# Allegro board RK3588S_Template_LP4XD200P232SD8H2_31X31_2133MHz_H1R0_V11_20220218YWQ.brd (continued)
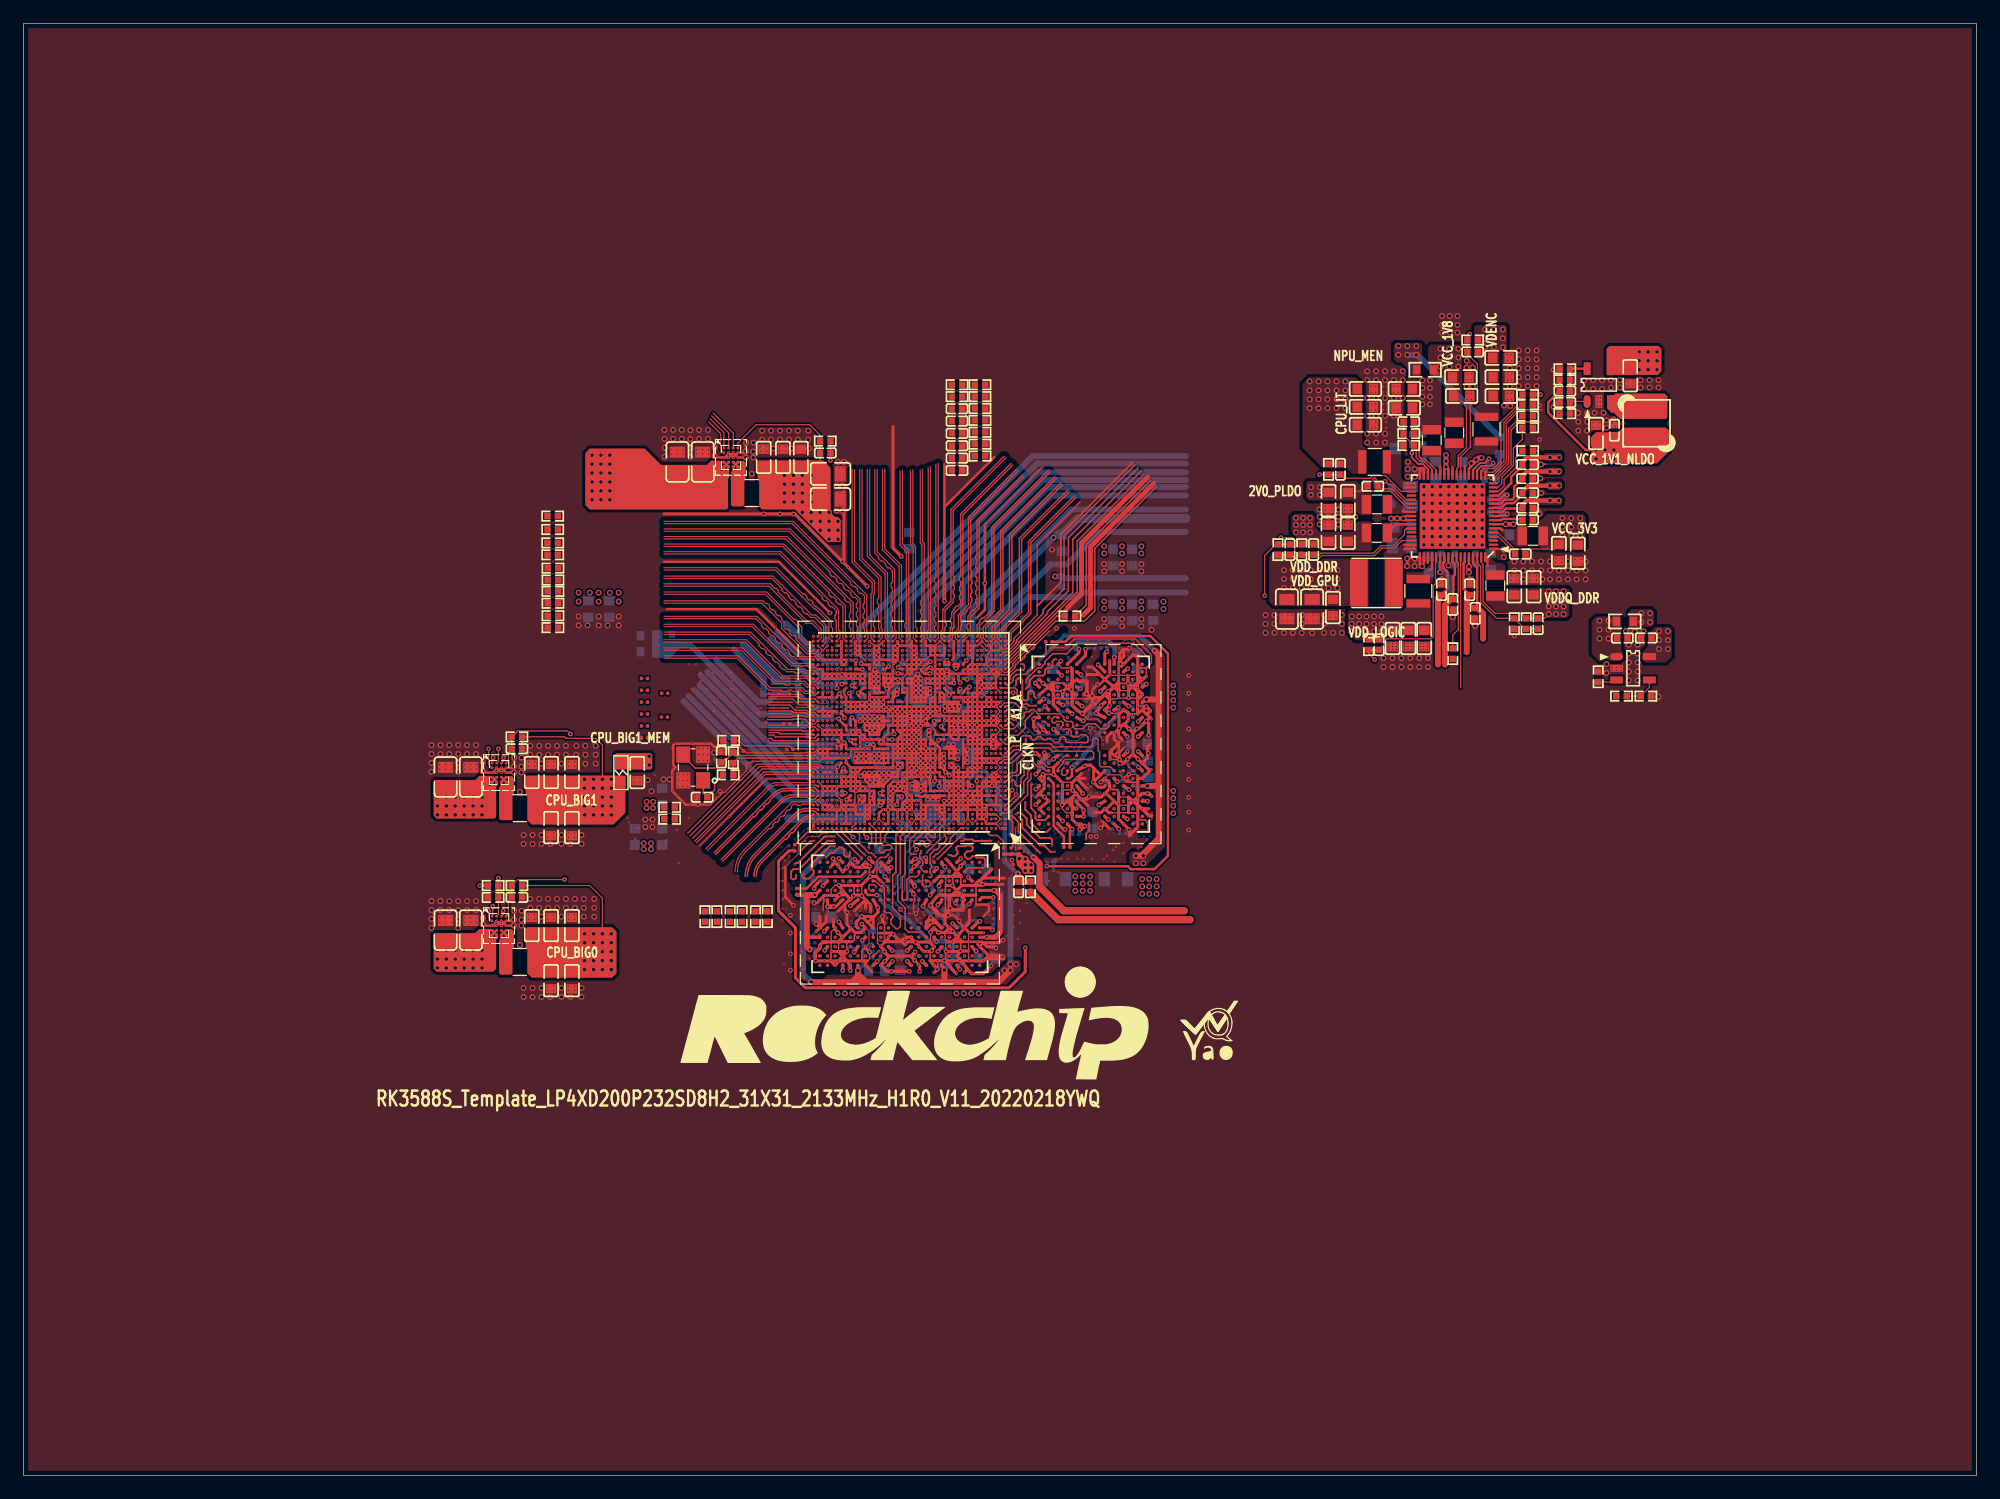
[diagram p0: board, top side]
## Copper pours and planes (outline as drawn; the poured copper is in the pictures) (continued)
VCC_SYSIN on TOP (solid shape): 39.75,58.93 40.39,58.93 40.39,56.26 40.26,56.13 35.31,56.13 35.05,56.39 35.05,59.31 35.18,59.44 38.61,59.44 38.96,59.79 39.75,59.79
VCC_SYSIN on TOP (solid shape): 39.75,45.85 40.39,45.85 40.39,43.31 40.13,43.05 35.31,43.05 35.05,43.31 35.05,46.23 35.18,46.36 38.61,46.36 38.96,46.71 39.75,46.71
VCC_SYSIN on TOP (solid shape): 54.48,86.36 58.42,86.36 58.77,86.71 59.56,86.71 59.56,85.85 60.2,85.85 60.2,82.68 60.07,82.55 48.39,82.55 48.01,82.93 48.01,87.38 48.39,87.76 53.09,87.76
VCC_SYSIN on TOP: 118.24,85.09 119.75,85.09 119.75,86.12 119.63,86.23 119.25,86.23 118.62,86.87 118.11,86.87 117.98,86.74 117.98,85.34
VCC_SYSIN on TOP: 125.22,78.99 125.22,79.25 126.11,79.25 126.24,79.38 126.62,79.38 126.75,79.25 126.75,78.36 126.62,78.23 125.98,78.23
VCC_SYSIN on TOP: 120.1,78.06 120.1,78.61 118.11,78.61 117.98,78.49 117.98,77.6 118.24,77.34 119.38,77.34
VCC_SYSIN on BOTTOM: 120.14,87.25 120.14,86.23 120.4,85.98 121.92,85.98 122.17,86.23 124.08,86.23 124.46,86.61 124.71,86.61 124.84,86.74 124.84,87.38 124.71,87.5 120.4,87.5
VCC_SYSIN on BOTTOM: 123.19,77.09 123.19,77.98 123.32,78.11 125.86,78.11 126.11,78.36 126.11,79.76 126.36,80.01 126.36,81.41 126.49,81.53 127.51,81.53 127.63,81.41 127.63,78.99 126.81,78.17 126.81,77.6 126.05,76.84 123.95,76.84 123.82,76.96 123.32,76.96
VCC_SYSIN on BOTTOM: 119.25,86.11 119.25,84.07 119.13,83.95 116.71,83.95 116.59,84.07 116.59,84.71 116.84,84.96 116.84,86.61 117.09,86.87 118.49,86.87
VCC_SYSIN on BOTTOM: 119.25,86.11 119.25,84.07 119.13,83.95 117.86,83.95 117.47,84.33 117.47,86.49 117.86,86.87 118.49,86.87
VCC_SYSIN on BOTTOM: 115.95,78.36 115.95,81.53 116.46,82.04 117.98,82.04 118.11,81.91 118.11,81.66 117.86,81.41 117.86,78.74 117.98,78.61 119,78.61 119.13,78.49 119.13,78.23 119.38,77.98 120.14,77.98 120.52,77.6 120.52,76.71 120.14,76.33 117.98,76.33
VCC_SYSIN on L4-POWER1: 116.59,84.71 116.59,52.83 102.87,39.12 43.18,39.12 41.66,40.64 41.66,74.04 50.42,82.8 50.42,87.63 50.16,87.88 37.59,87.88 26.8,77.09 26.8,24.89 35.18,16.51 130.68,16.51 149.22,35.05 149.22,96.14 148.72,96.65 133.35,96.65 129.16,92.46 123.82,92.46 116.59,85.22
VCCA_3V3_S0 on TOP: 137.16,73.79 137.16,72.52 139.06,72.52 139.32,72.77 139.32,73.79 139.06,74.04 137.41,74.04
VCCIO5 on L6-S2 (solid shape): 65.53,65.41 65.53,65.02 64.9,65.02 62.74,67.18 62.74,67.44 62.86,67.56 63.37,67.56
VCCIO5 on BOTTOM: 63.48,66.55 63.36,66.44 63.18,66.44 63.14,66.4 62.75,66.79 62.75,68.06 62.86,68.17 63.48,68.17
VCCIO_FLASH on BOTTOM (solid shape): 54.61,72.14 54.61,71.37 54.74,71.25 55.88,71.25 56.01,71.12 56.01,70.61 55.24,69.85 53.85,69.85 53.72,69.98 53.72,72.14 53.85,72.26 54.48,72.26
VDD2_DDR_S3 on TOP: 119.51,88.9 121.03,88.9 121.16,89.03 121.16,93.6 120.9,93.85 118.36,93.85 118.24,93.73 118.24,90.81 118.49,90.55 118.49,88.77 118.62,88.65 119.25,88.65
VDD2_DDR_S3 on BOTTOM: 71.63,51.05 71.63,52.42 72.15,52.94 74.2,52.94 74.29,52.85 74.29,52.6 73.79,52.09 73.79,51.33 73.8,51.32 73.78,51.3 73.78,51.06 73.64,50.93 73.41,50.93 73.15,50.67 73.15,50.55 72.52,49.91 72.52,49.3 73.28,48.53 73.28,48.15 73.02,47.9 73.02,47.64 73.28,47.39 74.29,47.39 74.57,47.12 75.44,47.12 77.09,45.47 77.09,43.81 76.71,43.43 75.69,43.43 75.31,43.81 74.04,43.81 73.91,43.94 73.91,44.96 73.66,45.21 73.28,45.21 72.64,45.85 72.39,45.85 72.27,45.96 72.27,46.98 71.75,47.5 71.63,47.5 71.37,47.75 71.12,47.75 70.99,47.88 70.99,48.15 70.36,48.79 70.36,49.78
VDD2_DDR_S3 on BOTTOM: 88.04,59.31 86.49,59.31 86.22,59.57 86.22,59.94 86.49,60.21 86.49,61.08 86.22,61.34 86.22,61.8 86.34,61.92 86.59,61.92 87.04,61.47 87.99,61.47 89.39,60.07 89.83,60.07 90.62,60.86 91.32,60.86 91.68,61.22 91.68,61.73 91.95,62 91.95,62.99 93.6,64.64 95.38,64.64 95.76,64.26 95.76,63.37 95.44,63.06 95.44,61.66 95.38,61.59 93.47,61.59 93.22,61.34 93.22,59.94 93.09,59.82 92.07,59.82 91.69,59.44 91.69,59.05 91.38,58.74 91.06,58.74 90.79,58.47 90.79,58.36 90.43,58.01 89.34,58.01
VDD2_DDR_S3 on BOTTOM: 92.06,64.33 92.44,64.71 92.44,65.81 92.33,65.91 91.73,65.91 91.67,65.85 90.79,65.85 90.57,66.06 90.3,66.06 89.9,65.66 89.9,64.96 89.7,64.77 89.15,64.77 89.12,64.74 87.98,64.74 87.63,65.09 86.09,65.09 85.83,64.84 85.83,64.2 86.47,63.57 86.72,63.82 86.72,64.33 86.98,64.58 87.36,64.58 87.48,64.46 87.48,63.95 87.86,63.57 89.13,63.57 89.9,64.33
VDD2_DDR_S3 on BOTTOM: 93.88,51.56 93.98,51.66 96.93,51.66 97.16,51.44 97.16,49.66 96.9,49.4 93.98,49.4 93.88,49.5
VDD2_DDR_S3 on BOTTOM: 76.71,47.14 77.09,46.76 78.23,46.76 78.49,47.01 78.49,47.26 78.23,47.52 78.23,48.41 78.61,48.79 78.61,48.91 78.23,49.3 77.34,49.3 77.09,49.55 77.09,49.93 76.83,49.93 76.45,50.31 76.45,50.95 76.71,51.2 77.11,51.2 77.34,51.44 77.34,52.07 77.6,52.32 77.85,52.32 79.76,54.23 80.39,54.23 80.52,54.36 80.52,54.99 79.63,54.99 79.63,54.74 78.25,53.36 76.58,53.36 75.95,52.72 76.2,52.47 76.71,52.47 76.83,52.34 76.83,51.84 76.71,51.71 76.33,51.71 75.95,51.33 75.95,50.06 76.71,49.3
VDD2_DDR_S3 on L3-S1: 106.81,51.44 102.23,46.86 95.88,46.86 95.25,47.5 95.25,51.12 95.38,51.24 98.87,51.24 101.09,53.47 101.09,89.28 106.81,95 119.95,95 120.71,94.23 120.71,90.61 115.95,85.85 115.44,85.85 112.9,83.31 107.82,83.31 107.31,82.8 107.31,80.64 106.81,80.14
VDD2_DDR_S3 on L5-POWER2: 75.18,50.8 76.07,50.8 77.72,49.15 78.1,49.15 78.36,48.89 78.36,48.51 77.98,48.13 77.98,47.24 77.34,46.61 77.34,44.83 77.72,44.45 80.01,44.45 81.79,46.23 85.34,46.23 85.85,45.72 89.53,45.72 92.27,48.45 92.27,52.45 92.2,52.45 89.41,55.24 89.41,55.5 90.42,56.52 90.42,57.53 90.3,57.66 90.3,58.67 90.42,58.8 90.42,63.88 90.04,64.26 90.04,65.53 90.55,66.04 92.2,66.04 92.71,65.53 93.22,65.53 93.98,64.77 98.93,64.77 99.06,64.64 99.06,48.89 90.8,40.64 74.8,40.64 72.39,43.05 72.39,48.89 72.58,49.09 74.1,49.09 74.68,49.66 74.68,50.29
VDD2_DDR_S3 on L6-S2: 72.14,45.34 72.14,46.99 70.74,48.39 70.61,48.39 70.48,48.51 70.48,48.77 70.61,48.89 70.99,48.89 71.37,48.51 72.64,48.51 72.77,48.64 73.15,48.64 73.28,48.51 74.17,48.51 74.8,49.15 74.8,50.42 74.93,50.55 76.2,50.55 76.33,50.42 76.33,50.16 76.2,50.04 75.95,50.04 75.56,49.66 75.56,48.51 76.2,47.88 76.33,47.88 76.83,48.39 77.6,48.39 77.85,48.64 77.85,48.89 77.98,49.02 78.23,49.02 78.36,48.89 78.36,48.26 77.98,47.88 77.98,46.74 77.47,46.23 77.47,45.09 77.34,44.96 77.34,44.83 77.85,44.32 78.23,44.32 78.49,44.58 80.14,44.58 82.04,46.48 84.07,46.48 88.65,51.05 88.65,53.85 89.41,54.61 89.41,55.37 89.66,55.63 89.92,55.63 90.3,56.01 94.49,56.01 94.87,56.39 94.87,58.42 94.49,58.8 93.47,58.8 93.34,58.67 91.06,58.67 90.8,58.42 90.8,58.29 90.55,58.04 90.3,58.04 90.17,58.17 90.17,58.55 90.8,59.18 90.8,59.56 90.42,59.94 90.42,60.71 90.55,60.83 91.19,60.83 91.44,61.09 91.44,61.34 91.69,61.59 92.58,61.59 93.09,62.1 93.09,63.5 92.07,64.52 91.57,64.52 91.44,64.64 91.44,65.41 92.46,66.42 92.96,66.42 93.98,65.41 93.98,65.02 94.36,64.64 95.38,64.64 95.63,64.9 96.01,64.9 96.27,65.15 96.27,68.33 96.01,68.58 95.5,68.58 94.49,69.6 94.11,69.6 93.85,69.85 92.96,69.85 92.71,70.1 92.71,71.37 92.46,71.63 91.31,71.63 90.42,70.74 90.42,70.48 90.3,70.36 90.17,70.36 89.92,70.61 89.92,70.99 91.06,72.14 92.58,72.14 94.36,70.36 98.42,70.36 99.31,69.47 99.31,47.75 92.2,40.64 68.2,40.64 66.04,42.8 66.04,45.09 66.17,45.21 67.31,45.21 67.44,45.09 67.44,44.7 67.31,44.58 67.31,43.94 68.96,42.29 72.26,42.29 72.77,42.8 72.77,44.7
VDD_0V75_S3 on TOP: 130.05,87.38 131.32,87.38 131.44,87.25 131.44,86.87 131.32,86.74 129.92,86.74 129.79,86.87 129.79,87.12
VDD_CPU_BIG0_S0 on TOP (solid shape): 50.67,46.48 50.67,42.93 50.29,42.55 43.43,42.55 43.05,42.93 43.05,44.96 42.93,45.09 42.93,46.74 43.05,46.86 50.29,46.86
VDD_CPU_BIG0_S0 on BOTTOM (solid shape): 75.06,60.45 75.06,59.79 74.75,59.49 74.18,59.49 74.18,59.42 74.05,59.42 73.66,59.03 73.56,59.03 73.5,59.05 73.47,59.05 73.41,59.05 73.15,59.05 72.9,58.8 72.52,58.8 72.14,58.42 71.88,58.42 71.88,58.8 72.14,59.05 72.14,59.06 72.17,59.12 72.18,59.18 72.18,59.29 72.14,59.44 72.01,59.57 71.99,59.57 71.88,59.59 71.77,59.57 71.76,59.56 71.4,59.56 71.39,59.57 71.27,59.59 71.16,59.57 71.15,59.56 70.76,59.56 70.68,59.59 70.61,59.59 70.59,59.59 70.48,59.69 70.48,59.94 70.53,59.95 70.59,59.97 70.64,60 70.7,60.06 71.62,60.06 71.73,60.17 71.91,60.17 71.91,60.19 72.38,60.19 72.4,60.17 72.63,60.17 72.65,60.19 72.71,60.19 72.96,60.45 74.04,60.45 74.29,60.71 74.8,60.71
VDD_CPU_BIG0_S0 on BOTTOM: 55.07,54.53 51.89,54.53 51.64,54.28 51.64,53.52 52.02,53.14 54.94,53.14 55.32,53.52 55.32,54.28
VDD_CPU_BIG0_S0 on L4-POWER1: 75.23,59.99 75.23,60.5 74.88,60.86 74.52,60.86 74.14,60.48 70.75,60.48 70.26,59.99 64.31,59.99 61.07,56.76 56.78,56.76 54.31,54.28 49.45,54.28 46.61,51.44 46.61,43.05 46.93,42.74 47.43,42.74 47.5,42.67 63.63,42.67 63.88,42.93 63.88,51.44 65.15,52.7 70.36,52.7 70.99,53.34 72.01,53.34 72.14,53.47 72.14,53.72 72.64,54.23 73.79,54.23 74.93,55.37 74.93,55.75 74.55,56.13 74.55,59.31
VDD_CPU_BIG0_S0 on L5-POWER2: 46.61,43.18 46.61,52.12 54.61,60.12 60.15,60.12 61.37,61.34 70.48,61.34 70.61,61.21 70.61,60.88 70.56,60.83 70.56,60.76 70.95,60.36 73.88,60.36 74.42,60.91 74.88,60.91 75.23,60.55 75.23,59.49 74.8,59.05 74.8,56.13 76.07,54.86 76.07,52.07 73.79,49.78 72.77,49.78 72.14,49.15 72.14,42.55 71.69,42.1 47.69,42.1
VDD_CPU_BIG1_MEM_S0 on TOP (solid shape): 53.72,61.59 53.72,60.45 53.59,60.33 50.55,60.33 50.55,61.59 50.67,61.72 53.59,61.72
VDD_CPU_BIG1_MEM_S0 on L5-POWER2: 72.91,63.29 72.97,63.22 72.97,62.1 72.85,61.97 71.11,61.97 70.76,61.62 70.71,61.62 70.69,61.59 61.24,61.59 60.02,60.38 53.29,60.38 53.21,60.45 53.21,62.99 53.51,63.29
VDD_CPU_BIG1_S0 on TOP (solid shape): 51.43,59.69 51.43,56.64 50.42,55.63 43.43,55.63 43.05,56.01 43.05,58.04 42.93,58.17 42.93,59.69 43.05,59.82 51.31,59.82
VDD_CPU_BIG1_S0 on BOTTOM (solid shape): 71.37,62.1 71.37,61.98 71.49,61.98 71.5,61.97 74.8,61.97 74.93,61.85 74.93,61.21 74.8,61.09 74.29,61.09 74.17,61.21 73.3,61.21 73.15,61.07 72.74,61.07 72.74,61.07 72.58,61.07 72.58,60.91 72.44,60.77 72.34,60.77 72.33,60.78 72.22,60.8 72.1,60.78 72.09,60.77 71.64,60.77 71.58,60.77 71.07,60.77 71.01,60.83 70.87,60.83 70.74,60.96 70.74,61.09 70.48,61.34 69.72,61.34 69.52,61.13 69.4,61.13 69.13,60.86 67.03,60.86 66.93,60.96 66.93,61.59 67.18,61.85 69.36,61.85 69.42,61.83 69.47,61.83 69.49,61.83 69.6,61.72 70.75,61.72 70.75,61.86 70.99,62.1 71.37,62.1
VDD_CPU_BIG1_S0 on BOTTOM: 53.21,56.69 54.94,56.69 55.19,56.95 55.19,57.84 55.07,57.96 53.21,57.96 52.96,57.71 52.96,56.95
VDD_CPU_BIG1_S0 on L4-POWER1: 73.38,62.73 68.07,62.73 67.81,62.99 66.55,62.99 66.42,62.87 66.42,62.86 66.29,62.73 59.82,62.73 59.05,63.5 47.24,63.5 46.99,63.25 46.99,56.77 48.84,54.91 53.97,54.91 56.83,57.77 56.91,57.77 56.97,57.84 58.12,57.84 58.37,57.58 60.91,57.58 63.99,60.66 70.65,60.66 70.87,60.88 73.23,60.88 73.38,61.04
VDD_CPU_BIG1_S0 on L6-S2: 49.1,63.93 61.54,63.93 61.8,63.68 66.42,63.68 66.55,63.55 66.55,62.74 66.93,62.36 68.58,62.36 69.09,61.85 69.98,61.85 70.23,62.1 71.75,62.1 71.88,62.23 71.88,62.48 72.01,62.61 72.64,62.61 72.77,62.48 72.77,62.23 72.9,62.1 73.15,62.1 73.28,61.98 73.28,61.21 73.15,61.09 70.74,61.09 70.36,60.71 70.1,60.71 69.21,59.82 69.21,58.55 67.82,57.15 66.55,57.15 61.21,51.82 47.62,51.82 47.12,52.32 47.12,61.95
VDD_CPU_LIT_S0 on BOTTOM (solid shape): 70.48,65.41 72.02,65.41 72.12,65.34 72.23,65.31 72.24,65.3 72.24,65.14 72.39,65.14 72.39,65.07 72.71,65.07 72.87,64.97 72.87,64.98 73.02,65.07 73.17,65.07 73.25,64.95 73.25,64.95 73.3,64.86 73.51,64.95 74.12,64.95 74.12,64.06 73.58,64.06 73.27,63.74 73.27,63.37 72.77,63.37 72.72,63.42 72.72,63.47 72.17,63.47 72.14,63.5 72.14,64.26 72.09,64.31 71.07,64.31 71.07,64.56 71.13,64.69 71.13,64.85 71.13,64.88 71.11,64.91 70.98,65.07 70.78,65.12 70.64,65.1 70.52,65.02 70.36,65.02 69.98,65.41 69.98,65.53 70.36,65.53
VDD_CPU_LIT_S0 on TOP: 113.54,85.6 113.03,86.11 111,86.11 109.28,87.82 109.28,93.28 109.85,93.85 113.79,93.85 114.43,93.22 114.43,88.01 114.68,87.76 114.68,85.6
VDD_CPU_LIT_S0 on BOTTOM: 50.85,74.09 51.18,74.42 51.18,75.56 50.88,75.87 47.42,75.87 47.12,75.56 47.12,74.42 47.45,74.09
VDD_CPU_LIT_S0 on L4-POWER1: 55.88,108.78 115.76,108.78 120.78,103.76 120.78,89.66 116.59,85.47 111.38,85.47 108.84,88.01 108.84,93.22 106.43,95.63 74.55,95.63 70.1,91.19 70.1,89.03 68.07,87 64.26,87 59.44,82.17 59.44,72.64 65.23,66.85 65.28,66.85 65.46,66.67 68.2,66.67 69.04,65.84 70.18,65.84 70.23,65.79 70.66,65.79 70.87,65.58 71.58,65.58 72.03,65.13 73.28,65.13 73.28,65.02 73.41,64.9 73.41,64.39 73.02,64.01 73.02,63.12 71.25,63.12 70.99,63.37 69.72,63.37 69.57,63.22 68.17,63.22 68.14,63.25 59.82,63.25 59.18,63.88 46.48,63.88 46.23,64.14 46.23,77.34 51.31,82.42 51.31,104.2
VDD_CPU_LIT_S0 on L5-POWER2: 72.74,63.34 53.16,63.34 52.82,63.68 46.81,63.68 46.48,64.01 46.48,86.61 67.31,107.44 112.27,107.44 114.17,105.54 114.17,91.31 113.79,90.93 73.28,90.93 68.58,86.23 64.52,86.23 62.48,84.2 62.48,80.64 62.1,80.26 62.1,75.06 62.67,74.49 62.8,74.49 69.21,68.07 69.21,66.29 69.34,66.17 70.23,66.17 70.23,66.08 70.48,65.83 72.83,65.83 73.41,65.25 73.41,64.39 73.41,64.39 73.02,64.01 73.02,63.63
VDD_DDR_S0 on BOTTOM (solid shape): 79.38,62.99 80.11,62.99 80.21,62.89 80.21,61.62 80.06,61.47 80.06,61.11 80.01,61.06 79.66,61.06 79.58,61.14 79.45,61.14 79.32,61.26 79.32,61.65 78.94,62.03 78.94,62.53 78.87,62.61 78.87,62.99 78.99,63.12 79.25,63.12
VDD_DDR_S0 on BOTTOM (solid shape): 77.42,59.49 77.42,58.98 76.53,58.09 75.51,58.09 75.39,58.22 75.39,58.28 75.41,58.3 75.52,58.48 75.52,58.69 75.51,58.7 75.51,59.23 75.57,59.29 76.41,59.29 76.41,59.36 76.53,59.36 76.78,59.61 77.29,59.61
VDD_DDR_S0 on TOP: 108.84,80.14 108.33,80.64 108.33,81.91 108.58,82.17 110.11,82.17 110.36,81.91 110.36,81.03 110.74,80.64 113.79,80.64 113.79,81.28 114.05,81.53 115.06,81.53 115.19,81.41 115.19,79.12 115.06,78.99 110.87,78.99 110.62,79.25 108.97,79.25 108.84,79.38
VDD_DDR_S0 on L3-S1: 110.74,42.55 87.76,42.55 87.63,42.67 87.63,47.5 87.76,47.62 94.36,47.62 95.88,46.1 102.23,46.1 107.82,51.69 107.82,82.8 108.08,83.06 118.11,83.06 119.25,81.91 119.25,79.12 120.65,77.72 120.65,52.45
VDD_DDR_S0 on L4-POWER1: 77.22,59.31 75.82,59.31 75.69,59.18 75.69,58.04 75.95,57.78 76.58,57.78 76.96,58.17 78.23,58.17 78.36,58.29 79.12,58.29 80.01,59.18 80.01,62.23 79.63,62.61 78.74,62.61 78.61,62.48 78.61,62.23 78.74,62.1 78.74,60.83
VDD_DDR_S0 on L5-POWER2: 75.56,59.44 77.09,59.44 77.47,59.82 77.98,59.82 80.64,57.15 82.8,57.15 83.44,56.52 84.2,56.52 84.45,56.26 88.14,56.26 92.07,52.32 92.07,48.64 89.41,45.97 86.11,45.97 83.88,48.2 83.5,48.2 82.04,49.66 81.03,49.66 80.9,49.78 79.88,49.78 79.76,49.66 77.72,49.66 76.26,51.12 76.26,54.99 74.93,56.32 74.93,58.8
VDD_GPU_S0 on BOTTOM (solid shape): 76.2,68.71 76.58,68.71 76.73,68.56 76.73,68.33 76.8,68.23 76.92,68.18 76.96,68.17 76.96,68.07 77.09,67.94 77.09,67.69 77.33,67.45 77.36,67.47 77.39,67.49 77.55,67.49 77.63,67.41 77.62,67.3 77.66,67.18 77.64,67.14 77.6,67.02 77.62,66.89 77.63,66.83 77.66,66.78 77.67,66.75 77.67,66.73 77.69,66.7 77.7,66.63 77.76,66.63 77.78,66.61 77.79,66.61 77.8,66.6 77.93,66.6 78.05,66.47 78.05,66.22 77.93,66.09 77.55,66.09 77.42,65.96 77.27,65.96 77.16,65.86 77.11,65.83 77.06,65.79 76.71,65.79 76.66,65.84 75.9,65.84 75.9,65.91 75.71,65.91 75.71,65.94 75.66,65.94 75.56,66.04 75.26,66.04 75.26,66.5 75.56,66.8 75.56,68.96 75.69,69.09 75.82,69.09
VDD_GPU_S0 on TOP: 110.74,78.11 108.58,78.11 108.33,78.36 108.33,78.74 108.08,78.99 106.93,78.99 106.43,78.49 106.43,74.68 106.81,74.3 114.81,74.3 114.94,74.42 114.94,78.23 114.81,78.36 111,78.36
VDD_GPU_S0 on BOTTOM: 75.31,79.76 75.06,79.5 75.06,78.87 75.18,78.74 76.2,78.74 76.33,78.87 76.33,79.63 76.2,79.76
VDD_GPU_S0 on BOTTOM: 92.2,78.49 95.63,78.49 95.76,78.61 95.76,79.5 95.63,79.63 92.2,79.63 92.07,79.5 92.07,78.61
VDD_GPU_S0 on L4-POWER1: 75.44,66.6 75.36,66.67 75.31,66.67 75.31,66.8 74.94,67.17 74.41,67.17 73.89,67.69 73.89,71.75 70.74,74.9 70.74,90.81 74.99,95.06 106.11,95.06 108.33,92.84 108.33,87.25 110.49,85.09 111.38,85.09 112.78,83.69 112.78,75.82 112.14,75.18 106.68,75.18 106.3,75.56 105.79,75.56 105.54,75.31 103.63,75.31 98.42,80.52 82.77,80.52 79.38,77.13 79.38,74.3 79.25,74.17 79.21,74.17 78.53,73.49 78.53,72.15 78.01,71.63 78.01,70.5 77.98,70.48 77.98,67.82 77.85,67.69 77.85,66.8 77.65,66.6
VDD_GPU_S0 on L5-POWER2: 76.35,66.52 76.28,66.6 75.44,66.6 74.96,67.08 74.93,67.08 74.7,67.31 73.89,67.31 73.79,67.41 73.56,67.41 73.38,67.59 73.38,72.14 73.39,72.15 73.39,72.63 73.41,72.64 73.41,72.77 70.74,75.44 70.74,88.01 73.28,90.55 113.54,90.55 114.43,89.66 114.43,77.47 111.76,74.8 107.11,74.8 105.16,76.76 89.41,76.76 88.7,77.47 81.79,77.47 80.77,76.45 80.77,75.82 79.63,74.68 79.63,73.28 78.99,72.64 78.99,71.12 78.23,70.36 78.23,66.65 78.1,66.52
VDD_LOGIC_S0 on BOTTOM (solid shape): 79.12,65.94 80.23,65.94 80.47,65.71 80.67,65.71 80.74,65.7 80.85,65.71 80.9,65.66 80.9,65.15 80.85,65.11 80.19,65.11 80.19,65.07 79.71,65.07 79.58,65.2 79.58,65.58 78.31,65.58 78.31,65.86 78.41,65.96 79.12,65.96
VDD_LOGIC_S0 on L7-GND2 (solid shape): 70.87,65.79 70.87,65.22 70.84,65.15 70.77,65.12 70.65,65.09 70.55,65.02 70.35,65.02 70.15,65.08 69.96,65.02 69.21,65.02 68.2,64.01 68.2,62.74 69.21,61.72 69.98,61.72 70.1,61.59 70.1,61.21 69.98,61.09 69.98,60.96 69.6,60.96 69.54,60.91 69.52,60.9 69.39,60.86 69.29,60.76 69.22,60.57 69.27,60.37 69.44,60.22 69.67,60.22 69.7,60.22 69.82,60.11 69.99,60.11 70.08,60.09 70.17,60.1 70.19,60.11 70.97,59.33 70.97,59.26 70.99,59.2 70.99,58.93 70.61,58.93 70.1,59.44 68.71,59.44 68.07,60.07 68.07,61.47 67.69,61.85 67.69,64.52 68.83,65.66 70.16,65.66 70.22,65.65 70.48,65.91 70.74,65.91
VDD_LOGIC_S0 on TOP: 113.16,72.01 113.79,71.37 115.82,71.37 116.2,71.75 120.01,71.75 120.27,72.01 120.27,74.8 120.14,74.93 118.24,74.93 118.11,74.8 118.11,74.17 117.86,73.91 113.28,73.91 113.16,73.79
VDD_LOGIC_S0 on BOTTOM: 92.27,73.66 91.38,72.77 88.52,72.77 84.65,68.9 84.65,68.52 84.45,68.33 84.45,67.69 81.91,65.15 80.14,65.15 80.14,65.41 80.39,65.66 80.9,65.66 81.66,66.42 82.04,66.42 82.68,67.06 82.68,67.69 84.07,69.09 84.07,69.47 84.14,69.53 84.14,71.18 87.63,74.68 90.3,74.68 90.55,74.93 95.63,74.93 95.76,74.8 95.76,73.91 95.5,73.66
VDD_LOGIC_S0 on L4-POWER1: 74.93,65.41 74.93,65.47 72.45,65.47 71.96,65.96 71.15,65.96 71.02,66.09 71.02,67.21 71.09,67.28 74.5,67.28 74.57,67.21 74.57,66.9 75.11,66.36 78.41,66.36 78.41,67.4 78.1,67.71 77.96,67.71 77.81,67.86 77.81,68.96 78.49,68.96 78.49,70.61 79.5,71.63 79.5,72.9 80.14,73.53 80.14,76.71 82.8,79.38 88.26,79.38 88.9,80.01 97.66,80.01 103.12,74.55 112.14,74.55 112.65,74.04 115.95,74.04 116.33,73.66 116.33,71.25 112.14,67.06 101.22,67.06 99.69,68.58 96.14,68.58 95.76,68.2 95.76,64.26 95.5,64.01 93.85,64.01 93.34,64.52 90.04,64.52 89.15,63.63 87.5,63.63 87.25,63.88 83.44,63.88 83.06,63.5 81.66,63.5 81.53,63.37 78.93,63.37 78.68,63.63 78.68,64.83 78.49,65.02 78.49,65.15 78.23,65.41
VDD_LOGIC_S0 on L5-POWER2: 80.01,65.38 79.12,65.38 78.89,65.15 78.59,65.15 78.36,65.38 76.58,65.38 76.35,65.15 75.29,65.15 75.06,65.38 74.12,65.38 73.3,66.19 70.97,66.19 70.97,67.11 71.12,67.26 71.88,67.26 72.05,67.09 74.29,67.09 74.55,66.84 75.1,66.84 75.77,66.17 76.5,66.17 76.83,66.5 79.71,66.5 80.14,66.07 80.14,65.51
VDD_LOGIC_S0 on L6-S2: 88.42,72.64 89.36,73.58 96.65,73.58 100.13,70.1 115.57,70.1 116.33,70.87 116.33,78.11 115.06,79.38 107.44,79.38 102.74,84.07 82.37,84.07 80.09,81.79 80.09,73.33 80.14,73.28 80.14,71.5 80.01,71.37 80.01,70.23 80.26,69.98 80.64,69.98 80.9,69.72 80.9,68.96 80.26,68.33 80.26,67.31 80.01,67.06 78.99,67.06 78.74,66.8 78.74,66.29 78.49,66.04 78.49,65.28 78.61,65.15 78.74,65.15 79.25,65.66 79.76,65.66 80.14,65.28 80.14,64.64 80.26,64.52 81.53,64.52 81.66,64.64 81.66,64.9 82.11,65.34 82.11,65.72 82.93,66.55 82.93,67.56 82.8,67.69 82.8,68.07 83.06,68.33 83.06,69.34 84.2,70.48 84.2,71.25 84.33,71.37 84.33,72.01 84.96,72.64
VDD_NPU_S0 on TOP (solid shape): 68.96,86.11 68.96,82.3 69.34,81.91 69.57,81.91 69.82,81.66 69.82,79.88 69.7,79.76 68.71,79.76 66.03,82.45 66.01,82.45 65.91,82.55 63.12,82.55 62.86,82.8 62.86,84.96 62.74,85.09 62.74,86.61 62.86,86.74 68.33,86.74
VDD_NPU_S0 on BOTTOM (solid shape): 72.77,70.39 72.68,70.16 72.76,69.92 72.77,69.91 72.77,69.85 73.1,69.52 73.48,69.52 73.53,69.47 73.53,69.09 73.57,69.05 73.61,68.93 73.64,68.9 73.66,68.87 73.69,68.84 73.74,68.81 73.74,68.64 73.7,68.61 73.66,68.58 73.63,68.55 73.6,68.52 73.52,68.52 73.43,68.5 73.23,68.5 73.23,66.8 73.15,66.73 72.34,66.73 72.34,68.71 72.39,68.76 72.39,70.61 72.52,70.74 72.77,70.74
VDD_NPU_S0 on BOTTOM: 66.17,82.04 66.17,82.55 65.91,82.8 64.9,82.8 64.64,83.06 64.64,85.6 65.15,86.11 68.45,86.11 69.09,85.47 69.09,82.3 69.98,81.41 69.98,80.01 69.72,79.76 68.45,79.76
VDD_NPU_S0 on L3-S1: 67.69,79.63 69.72,79.63 69.85,79.76 69.85,81.91 67.69,84.07 67.69,85.6 67.44,85.85 64.9,85.85 64.64,85.6 64.64,82.68
VDD_NPU_S0 on L4-POWER1: 73.66,71.63 73.66,67.51 73.53,67.39 65.71,67.39 60.2,72.9 60.2,81.79 64.64,86.23 70.36,86.23 70.48,86.11 70.48,74.8
VDD_NPU_S0 on L5-POWER2: 71.51,67.45 71.32,67.64 71.32,67.67 70.31,68.68 69.62,68.68 62.86,75.44 62.86,83.95 64.77,85.85 70.36,85.85 70.42,85.79 70.42,75.31 73.1,72.63 73.1,69.01 73.33,68.78 73.33,67.51 73.34,67.5 73.15,67.31 71.64,67.31 71.51,67.44
VDD_NPU_S0 on L6-S2: 74.5,66.6 74.42,66.67 74.42,67.18 75.06,67.82 75.06,68.07 75.44,68.45 75.44,71.35 75.45,71.36 75.45,71.74 74.93,72.26 74.93,72.39 74.42,72.9 72.77,72.9 64.26,81.41 64.26,85.47 64.77,85.98 69.72,85.98 73.91,81.79 73.91,78.87 74.68,78.11 79.5,78.11 79.63,77.98 79.63,72.77 79.5,72.64 79.5,70.74 79.38,70.61 77.6,70.61 77.09,70.1 76.71,70.1 76.2,69.6 76.2,68.58 74.93,67.31 74.93,66.85 74.68,66.6
VDD_NPU_S0 on L7-GND2: 69.85,79.88 69.72,79.76 68.71,79.76 65.79,82.68 64.9,82.68 64.64,82.93 64.64,85.6 64.9,85.85 67.44,85.85 67.69,85.6 67.69,83.95 69.85,81.79
VDD_VDENC_S0 on BOTTOM (solid shape): 78.36,64.52 77.85,64.01 77.85,63.75 77.6,63.5 77.6,63.42 77.53,63.36 77.53,63.04 77.28,62.79 76.91,62.79 76.91,62.95 76.91,63.49 76.91,63.55 77.17,63.8 77.22,63.8 77.29,63.88 77.34,63.88 77.37,63.91 77.55,63.91 77.55,64.04 77.57,64.08 77.6,64.14 77.6,64.52 77.69,64.61 77.75,64.66 77.82,64.69 77.89,64.66 77.99,64.75 78.05,64.77 78.36,64.77
VDD_VDENC_S0 on TOP: 125.98,90.17 126.11,90.3 126.11,96.01 126.24,96.14 126.62,96.14 126.75,96.27 126.75,98.17 126.62,98.3 124.08,98.3 123.95,98.17 123.95,95.63 124.4,95.19 124.4,91.63 123.95,91.19 123.95,90.3 124.08,90.17
VDD_VDENC_S0 on BOTTOM: 97.54,73.79 97.66,73.91 97.66,74.93 97.54,75.06 96.14,75.06 96.01,74.93 96.01,73.91 96.14,73.79
VDD_VDENC_S0 on BOTTOM: 78.06,61.01 78.06,61.64 78.25,61.83 78.76,61.83 79.07,61.52 79.07,60.5 79.5,60.07 79.5,59.82 79.38,59.69 78.1,59.69 78.1,60.96
VDD_VDENC_S0 on L5-POWER2: 80.59,57.45 78.87,59.18 78.87,59.31 78.06,60.12 78.06,61.98 77.09,62.95 77.09,64.18 78.06,65.15 78.06,65.21 78.18,65.33 80.09,65.33 80.21,65.46 80.21,66.47 80.09,66.6 79.58,66.6 79.07,67.11 79.07,67.74 79.45,68.12 79.45,70.03 79.51,70.09 79.51,70.24 80.77,71.5 80.77,74.04 82.68,75.95 104.39,75.95 106.17,74.17 112.14,74.17 115.06,77.09 115.06,85.98 117.98,88.9 120.65,88.9 124.46,92.71 124.46,98.04 124.7,98.29 131.71,98.29 132.33,97.66 132.33,83.31 127.13,78.11 127.13,69.72 122.43,65.02 93.85,65.02 92.84,66.04 90.8,66.04 90.55,66.29 90.42,66.29 89.53,65.41 89.53,63.88 90.17,63.25 90.17,58.93 90.04,58.8 90.04,56.77 89.66,56.39 86.36,56.39 86.23,56.52 84.58,56.52 84.33,56.77 83.57,56.77 82.88,57.45
VDDA_0V75_S0 on BOTTOM (solid shape): 81.48,68.76 81.53,68.71 80.64,67.82 80.52,67.82 80.34,68 80.34,68.25 80.59,68.25 80.59,68.35 80.67,68.42 80.67,68.63 80.59,68.71 80.59,68.76 80.72,68.88 81.48,68.88
VDDA_0V75_S0 on BOTTOM (solid shape): 79.36,68.83 79.45,68.7 79.59,68.62 79.63,68.61 79.63,68.43 79.58,68.43 79.58,67.82 79.65,67.79 79.68,67.72 79.7,67.63 79.55,67.49 79.35,67.69 78.74,67.69 78.74,68.03 78.77,68.1 78.85,68.13 79.19,68.29 79.19,68.66
VDDA_0V75_S0 on TOP: 130.05,84.84 130.05,84.45 130.3,84.2 131.19,84.2 131.44,84.45 131.44,84.84 131.32,84.96 130.17,84.96
VDDA_0V85_S0 on TOP: 131.32,83.57 131.44,83.44 131.44,83.06 131.32,82.93 129.54,82.93 129.29,83.19 129.29,83.31 129.54,83.57
VDDQ_DDR on BOTTOM: 88.14,55.63 86.99,56.77 86.36,56.77 86.23,56.9 86.23,57.4 86.36,57.53 87.38,57.53 87.63,57.78 87.63,58.4 87.5,58.53 87.5,58.8 87.76,59.05 87.99,59.05 88.12,58.93 88.12,57.53 88.52,57.13 89.03,57.13 89.03,57.15 89.28,57.4 90.84,57.4 91.35,57.91 93.34,57.91 93.85,58.42 93.85,58.67 93.98,58.8 94.61,58.8 95.5,57.91 96.14,57.91 96.77,58.55 96.77,63.12 96.27,63.63 96.27,64.64 96.14,64.77 95.76,64.77 95.63,64.9 95.25,64.9 94.87,65.28 94.61,65.28 94.23,65.66 94.23,65.91 95.12,65.91 95.38,65.66 95.5,65.66 95.76,65.41 96.14,65.41 96.39,65.66 96.39,66.67 95.63,67.44 95.25,67.44 95.12,67.56 95.12,67.94 94.87,68.2 92.71,68.2 92.44,67.93 92.44,67.12 92.33,67.02 92.33,66.93 92.46,66.8 92.46,66.67 92.33,66.55 91.95,66.55 91.33,67.16 90.57,67.16 90.15,66.74 90.15,66.49 90.13,66.46 90.13,66.21 89.52,65.6 88.75,65.6 88.63,65.73 88.63,65.91 88.75,66.04 89.13,66.04 89.52,66.42 89.52,66.8 90.17,67.46 90.17,67.94 90.04,68.07 86.99,68.07 86.87,67.94 86.87,67.82 86.59,67.54 86.38,67.54 86.23,67.69 86.23,68.33 87.12,69.22 89.15,69.22 89.66,69.72 89.66,69.98 89.92,70.23 91.19,70.23 91.31,70.36 91.31,70.74 91.44,70.87 92.2,70.87 92.33,70.74 92.33,70.1 92.84,69.6 96.77,69.6 98.55,67.82 98.55,56.52 97.66,55.63 92.58,55.63 92.2,56.01 90.68,56.01 90.3,55.63
VDDQ_DDR on BOTTOM: 88.65,51.82 88.52,51.69 88.52,49.91 89.03,49.4 92.84,49.4 92.96,49.53 92.96,51.56 92.71,51.82
VDDQ_DDR on BOTTOM: 67.94,46.61 68.33,46.99 68.33,49.91 68.07,50.16 68.07,51.18 68.83,51.94 69.21,51.94 69.47,52.2 69.47,52.83 69.6,52.96 69.98,52.96 70.1,52.83 70.1,51.94 70.36,51.69 71.12,51.69 71.37,51.44 71.37,51.2 71.24,51.06 69.6,51.06 69.34,50.8 69.34,49.51 69.45,49.4 69.45,48.53 70.36,47.62 70.36,45.97 71.25,45.09 71.25,44.58 70.74,44.07 70.47,44.07 70.23,43.83 70.23,43.05 70.74,42.55 76.58,42.55 76.96,42.93 76.96,43.31 77.34,43.69 77.34,44.32 77.98,44.96 78.23,44.96 78.49,44.7 78.49,44.32 77.98,43.82 77.98,43.69 77.72,43.43 77.72,43.05 77.98,42.8 78.99,42.8 79.76,43.56 79.76,43.69 79.88,43.81 80.26,43.81 80.52,44.07 80.52,45.34 80.14,45.72 80.14,46.5 79.88,46.76 79.63,46.76 79.52,46.86 79.25,46.86 79.12,46.99 79.12,47.37 79.63,47.88 79.63,48.53 79.12,49.04 78.87,49.04 78.61,49.3 78.36,49.3 77.98,49.68 77.98,50.44 78.1,50.57 78.23,50.57 78.36,50.44 78.36,50.06 78.74,49.68 79.12,49.68 79.88,48.91 80.52,48.91 80.52,50.18 80.39,50.31 80.01,50.31 79.88,50.44 79.88,50.95 80.52,51.58 80.52,52.32 80.39,52.45 80.01,52.45 79.88,52.58 79.88,52.83 80.01,52.96 81.28,52.96 81.53,52.7 81.53,50.42 82.68,49.28 82.68,48.77 82.8,48.64 82.93,48.64 83.06,48.51 83.06,47.5 82.93,47.37 82.68,47.37 82.55,47.24 82.55,46.74 82.04,46.23 82.04,45.72 82.3,45.47 82.3,41.15 81.79,40.64 68.83,40.64 67.94,41.53
VDDQ_DDR on L4-POWER1: 97.03,67.56 97.03,58.93 95.76,57.66 95.76,57.53 96.01,57.28 96.27,57.28 96.52,57.02 96.52,53.59 96.08,53.15 96.08,52.26 95.76,51.94 89.15,51.94 85.6,48.39 85.6,45.85 82.04,42.29 70.99,42.29 70.48,42.8 70.48,43.43 70.23,43.69 69.21,43.69 68.71,43.18 68.71,41.02 69.09,40.64 90.8,40.64 99.06,48.89 99.06,67.56 98.81,67.82 97.28,67.82
VDDQ_DDR_S0 on TOP (solid shape): 85.22,53.21 85.28,53.11 85.38,53.04 85.39,53.04 85.47,52.96 85.72,52.96 85.89,52.79 85.89,52.66 86.13,52.43 86.15,52.43 86.36,52.21 86.36,51.57 86.23,51.44 85.47,51.44 85.37,51.54 85.37,51.6 85.34,51.63 85.34,51.69 84.89,52.15 84.89,52.17 84.88,52.27 84.84,52.37 84.84,53.21 85.21,53.21
VDDQ_DDR_S0 on BOTTOM (solid shape): 80.85,62.41 80.85,62.28 80.98,62.15 81.99,62.15 82.12,62.03 82.12,61.77 81.99,61.65 81.74,61.65 81.61,61.52 81.61,60.88 81.48,60.76 80.44,60.76 80.31,60.88 80.31,61.37 80.47,61.52 80.47,62.53 80.72,62.53
VDDQ_DDR_S0 on BOTTOM (solid shape): 78.44,57.96 78.24,57.77 78.24,57.32 78.22,57.29 78.22,57.02 78.16,56.82 78.22,56.62 78.22,56.12 77.34,55.24 76.83,55.24 76.83,56.01 76.96,56.13 76.96,56.76 76.97,56.77 76.97,57.79 77.25,58.08 78.04,58.08 78.18,58.22 78.44,58.22
VDDQ_DDR_S0 on TOP: 124.97,74.68 124.97,75.56 126.75,75.56 127,75.82 131.95,75.82 132.08,75.69 132.08,73.53 131.83,73.28 130.17,73.28 129.79,73.66 128.27,73.66 128.14,73.79 125.86,73.79
VDDQ_DDR_S0 on BOTTOM: 87.63,50.29 87.63,52.32 87.38,52.58 86.87,52.58 86.49,52.96 85.72,52.96 85.22,53.47 84.96,53.47 84.84,53.34 84.84,52.07 85.34,51.56 85.34,44.96 85.98,44.32 112.78,44.32 132.59,64.14 132.59,75.18 131.95,75.82 127.63,75.82 126.11,74.3 126.11,67.82 107.31,49.02 88.9,49.02
VDDQ_DDR_S0 on L4-POWER1: 88.14,52.2 84.96,49.02 79.25,49.02 78.1,50.16 78.1,52.83 78.23,52.96 78.23,53.34 78.1,53.47 77.85,53.47 77.72,53.59 77.34,53.59 77.09,53.85 77.09,54.23 76.83,54.48 76.2,54.48 76.07,54.61 76.07,55.88 76.33,56.13 76.33,56.52 76,56.84 76,57.46 76.07,57.53 76.71,57.53 77.22,58.04 79.25,58.04 80.26,59.05 80.26,61.98 80.52,62.23 81.03,62.23 81.15,62.1 81.66,62.1 82.17,61.59 82.17,61.47 82.55,61.09 82.55,60.45 82.8,60.2 83.57,60.2 83.82,59.94 84.45,59.94 85.22,59.18 85.22,59.05 85.85,58.42 85.85,57.28 86.36,56.77 86.36,56.39 86.87,55.88 87.5,55.88 87.63,55.75 87.63,55.12 88.14,54.61
